# KiCad board miniFPGA_panel.kicad_pcb (continued)
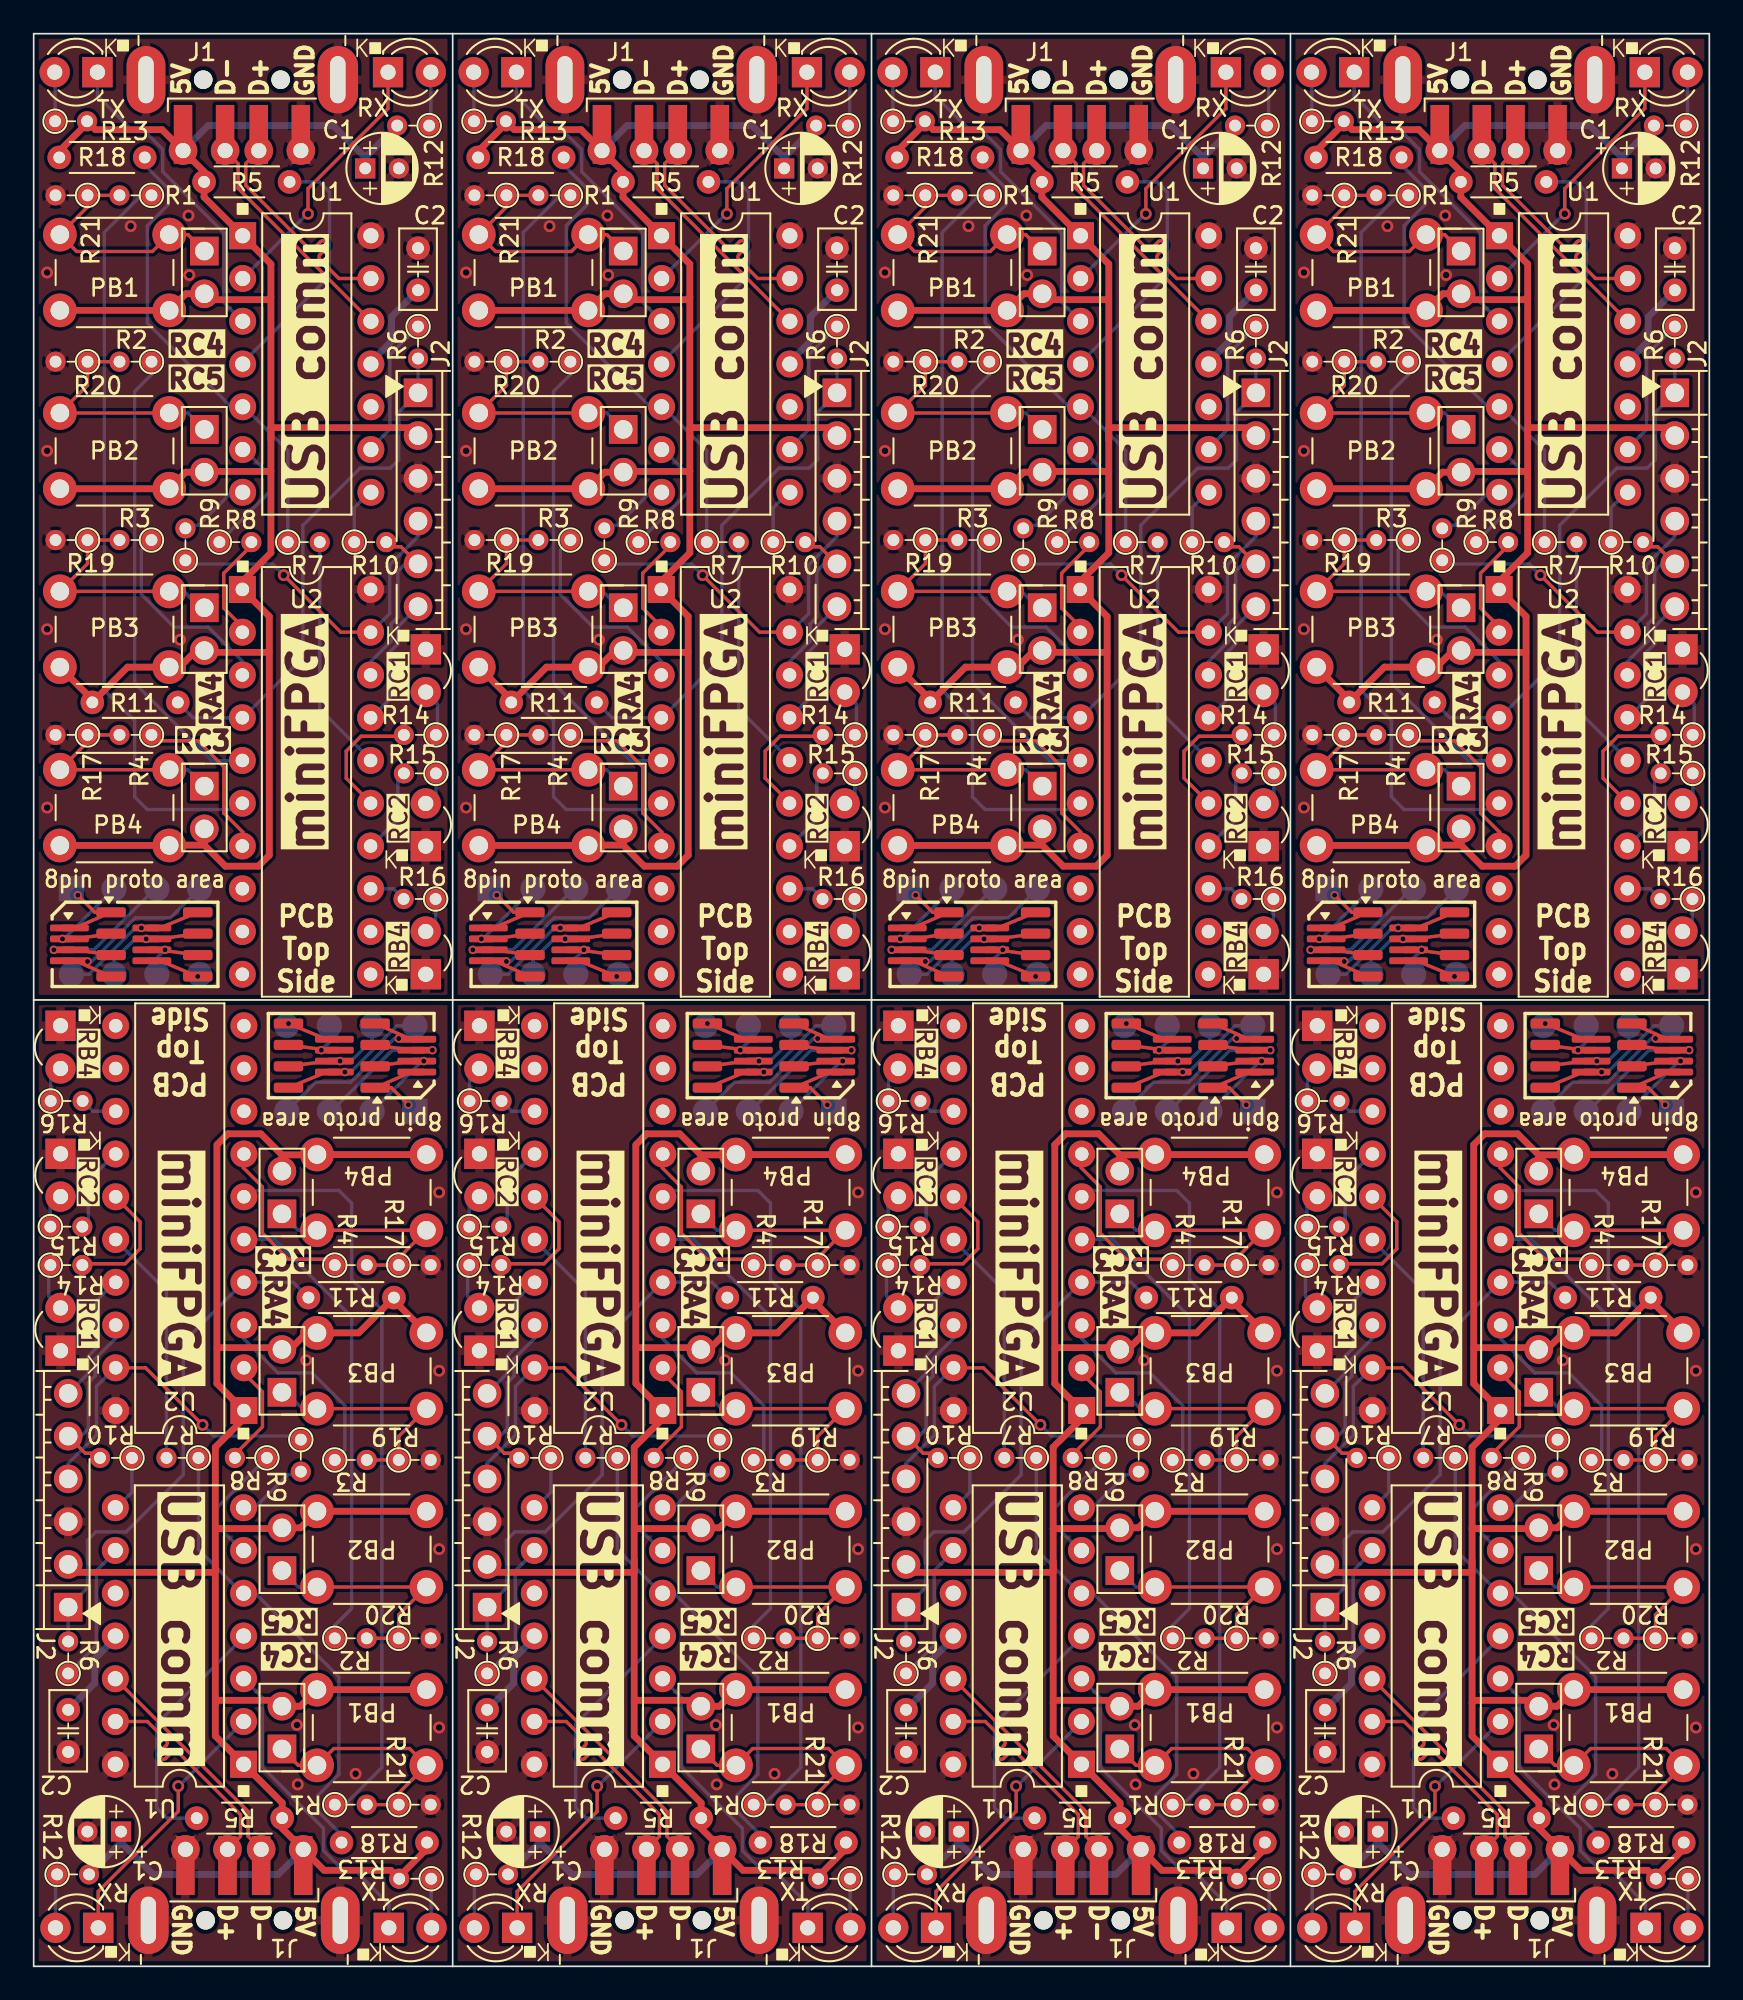
[diagram p0: board, top side]
## Placement (name value [footprint] x y rotation side) (continued)
R18#4  10kΩ  [R_Axial_DIN0204_L3.6mm_D1.6mm_P5.08mm_Horizontal]  76.2 107.45 0 top
R18#5  10kΩ  [R_Axial_DIN0204_L3.6mm_D1.6mm_P5.08mm_Horizontal]  51.3 107.45 0 top
R18#6  10kΩ  [R_Axial_DIN0204_L3.6mm_D1.6mm_P5.08mm_Horizontal]  98.05 7.35 180 top
R18#7  10kΩ  [R_Axial_DIN0204_L3.6mm_D1.6mm_P5.08mm_Horizontal]  23.37 7.35 180 top
R18#8  10kΩ  [R_Axial_DIN0204_L3.6mm_D1.6mm_P5.08mm_Horizontal]  26.41 107.45 0 top
R19  680Ω  [R_Axial_L3.6mm_D1.6mm_P1.90mm_Vertical]  28.09 84.73 180 top
R19#2  680Ω  [R_Axial_L3.6mm_D1.6mm_P1.90mm_Vertical]  77.88 84.73 180 top
R19#3  680Ω  [R_Axial_L3.6mm_D1.6mm_P1.90mm_Vertical]  96.37 30.08 0 top
R19#4  680Ω  [R_Axial_L3.6mm_D1.6mm_P1.90mm_Vertical]  52.98 84.73 180 top
R19#5  680Ω  [R_Axial_L3.6mm_D1.6mm_P1.90mm_Vertical]  71.48 30.08 0 top
R19#6  680Ω  [R_Axial_L3.6mm_D1.6mm_P1.90mm_Vertical]  21.69 30.08 0 top
R19#7  680Ω  [R_Axial_L3.6mm_D1.6mm_P1.90mm_Vertical]  46.58 30.08 0 top
R19#8  680Ω  [R_Axial_L3.6mm_D1.6mm_P1.90mm_Vertical]  3.2 84.73 180 top
R20  680Ω  [R_Axial_L3.6mm_D1.6mm_P1.90mm_Vertical]  71.48 19.49 0 top
R20#2  680Ω  [R_Axial_L3.6mm_D1.6mm_P1.90mm_Vertical]  3.2 95.32 180 top
R20#3  680Ω  [R_Axial_L3.6mm_D1.6mm_P1.90mm_Vertical]  21.69 19.49 0 top
R20#4  680Ω  [R_Axial_L3.6mm_D1.6mm_P1.90mm_Vertical]  28.09 95.32 180 top
R20#5  680Ω  [R_Axial_L3.6mm_D1.6mm_P1.90mm_Vertical]  96.37 19.49 0 top
R20#6  680Ω  [R_Axial_L3.6mm_D1.6mm_P1.90mm_Vertical]  46.58 19.49 0 top
R20#7  680Ω  [R_Axial_L3.6mm_D1.6mm_P1.90mm_Vertical]  52.98 95.32 180 top
R20#8  680Ω  [R_Axial_L3.6mm_D1.6mm_P1.90mm_Vertical]  77.88 95.32 180 top
R21  680Ω  [R_Axial_L3.6mm_D1.6mm_P1.90mm_Vertical]  46.58 9.6 0 top
R21#2  680Ω  [R_Axial_L3.6mm_D1.6mm_P1.90mm_Vertical]  28.09 105.2 180 top
R21#3  680Ω  [R_Axial_L3.6mm_D1.6mm_P1.90mm_Vertical]  52.98 105.2 180 top
R21#4  680Ω  [R_Axial_L3.6mm_D1.6mm_P1.90mm_Vertical]  71.48 9.6 0 top
R21#5  680Ω  [R_Axial_L3.6mm_D1.6mm_P1.90mm_Vertical]  77.88 105.2 180 top
R21#6  680Ω  [R_Axial_L3.6mm_D1.6mm_P1.90mm_Vertical]  3.2 105.2 180 top
R21#7  680Ω  [R_Axial_L3.6mm_D1.6mm_P1.90mm_Vertical]  21.69 9.6 0 top
R21#8  680Ω  [R_Axial_L3.6mm_D1.6mm_P1.90mm_Vertical]  96.37 9.6 0 top
REF*  LOGO  [MClogoBW_18x4.2mm]  33.57 20.37 90 bottom
REF*#2  LOGO  [MClogoBW_18x4.2mm]  41.11 94.44 270 bottom
REF*#3  LOGO  [MClogoBW_18x4.2mm]  58.46 20.37 90 bottom
REF*#4  LOGO  [MClogoBW_18x4.2mm]  8.67 20.37 90 bottom
REF*#5  LOGO  [MClogoBW_18x4.2mm]  90.89 94.44 270 bottom
REF*#6  LOGO  [MClogoBW_18x4.2mm]  66 94.44 270 bottom
REF*#7  LOGO  [MClogoBW_18x4.2mm]  83.35 20.37 90 bottom
REF*#8  LOGO  [MClogoBW_18x4.2mm]  16.22 94.44 270 bottom
TP1  1  [TestPoint_Pad_1.5x1.5mm]  22.65 50.8 0 bottom
TP1#2  1  [TestPoint_Pad_1.5x1.5mm]  2.24 64.01 180 bottom
TP1#3  1  [TestPoint_Pad_1.5x1.5mm]  97.33 50.8 0 bottom
TP1#4  1  [TestPoint_Pad_1.5x1.5mm]  76.92 64.01 180 bottom
TP1#5  1  [TestPoint_Pad_1.5x1.5mm]  52.02 64.01 180 bottom
TP1#6  1  [TestPoint_Pad_1.5x1.5mm]  72.44 50.8 0 bottom
TP1#7  1  [TestPoint_Pad_1.5x1.5mm]  27.13 64.01 180 bottom
TP1#8  1  [TestPoint_Pad_1.5x1.5mm]  47.54 50.8 0 bottom
TP2  2  [TestPoint_Pad_D1.5mm]  69.9 50.8 0 bottom
TP2#2  2  [TestPoint_Pad_D1.5mm]  29.67 64.01 180 bottom
TP2#3  2  [TestPoint_Pad_D1.5mm]  45 50.8 0 bottom
TP2#4  2  [TestPoint_Pad_D1.5mm]  20.11 50.8 0 bottom
TP2#5  2  [TestPoint_Pad_D1.5mm]  54.56 64.01 180 bottom
TP2#6  2  [TestPoint_Pad_D1.5mm]  4.78 64.01 180 bottom
TP2#7  2  [TestPoint_Pad_D1.5mm]  79.46 64.01 180 bottom
TP2#8  2  [TestPoint_Pad_D1.5mm]  94.79 50.8 0 bottom
TP3  3  [TestPoint_Pad_D1.5mm]  32.21 64.01 180 bottom
TP3#2  3  [TestPoint_Pad_D1.5mm]  57.1 64.01 180 bottom
TP3#3  3  [TestPoint_Pad_D1.5mm]  67.36 50.8 0 bottom
TP3#4  3  [TestPoint_Pad_D1.5mm]  82 64.01 180 bottom
TP3#5  3  [TestPoint_Pad_D1.5mm]  42.46 50.8 0 bottom
TP3#6  3  [TestPoint_Pad_D1.5mm]  92.25 50.8 0 bottom
TP3#7  3  [TestPoint_Pad_D1.5mm]  7.32 64.01 180 bottom
TP3#8  3  [TestPoint_Pad_D1.5mm]  17.57 50.8 0 bottom
TP4  4  [TestPoint_Pad_D1.5mm]  39.92 50.8 0 bottom
TP4#2  4  [TestPoint_Pad_D1.5mm]  34.75 64.01 180 bottom
TP4#3  4  [TestPoint_Pad_D1.5mm]  64.82 50.8 0 bottom
TP4#4  4  [TestPoint_Pad_D1.5mm]  59.64 64.01 180 bottom
TP4#5  4  [TestPoint_Pad_D1.5mm]  84.54 64.01 180 bottom
TP4#6  4  [TestPoint_Pad_D1.5mm]  89.71 50.8 0 bottom
TP4#7  4  [TestPoint_Pad_D1.5mm]  9.86 64.01 180 bottom
TP4#8  4  [TestPoint_Pad_D1.5mm]  15.03 50.8 0 bottom
TP5  5  [TestPoint_Pad_D1.5mm]  64.82 55.88 0 bottom
TP5#2  5  [TestPoint_Pad_D1.5mm]  15.03 55.88 0 bottom
TP5#3  5  [TestPoint_Pad_D1.5mm]  34.75 58.93 180 bottom
TP5#4  5  [TestPoint_Pad_D1.5mm]  59.64 58.93 180 bottom
TP5#5  5  [TestPoint_Pad_D1.5mm]  9.86 58.93 180 bottom
TP5#6  5  [TestPoint_Pad_D1.5mm]  89.71 55.88 0 bottom
TP5#7  5  [TestPoint_Pad_D1.5mm]  39.92 55.88 0 bottom
TP5#8  5  [TestPoint_Pad_D1.5mm]  84.54 58.93 180 bottom
TP6  6  [TestPoint_Pad_D1.5mm]  57.1 58.93 180 bottom
TP6#2  6  [TestPoint_Pad_D1.5mm]  67.36 55.88 0 bottom
TP6#3  6  [TestPoint_Pad_D1.5mm]  92.25 55.88 0 bottom
TP6#4  6  [TestPoint_Pad_D1.5mm]  32.21 58.93 180 bottom
TP6#5  6  [TestPoint_Pad_D1.5mm]  42.46 55.88 0 bottom
TP6#6  6  [TestPoint_Pad_D1.5mm]  17.57 55.88 0 bottom
TP6#7  6  [TestPoint_Pad_D1.5mm]  7.32 58.93 180 bottom
TP6#8  6  [TestPoint_Pad_D1.5mm]  82 58.93 180 bottom
TP7  7  [TestPoint_Pad_D1.5mm]  94.79 55.88 0 bottom
TP7#2  7  [TestPoint_Pad_D1.5mm]  69.9 55.88 0 bottom
TP7#3  7  [TestPoint_Pad_D1.5mm]  45 55.88 0 bottom
TP7#4  7  [TestPoint_Pad_D1.5mm]  20.11 55.88 0 bottom
TP7#5  7  [TestPoint_Pad_D1.5mm]  29.67 58.93 180 bottom
TP7#6  7  [TestPoint_Pad_D1.5mm]  79.46 58.93 180 bottom
TP7#7  7  [TestPoint_Pad_D1.5mm]  4.78 58.93 180 bottom
TP7#8  7  [TestPoint_Pad_D1.5mm]  54.56 58.93 180 bottom
TP8  8  [TestPoint_Pad_D1.5mm]  2.24 58.93 180 bottom
TP8#2  8  [TestPoint_Pad_D1.5mm]  76.92 58.93 180 bottom
TP8#3  8  [TestPoint_Pad_D1.5mm]  22.65 55.88 0 bottom
TP8#4  8  [TestPoint_Pad_D1.5mm]  97.33 55.88 0 bottom
TP8#5  8  [TestPoint_Pad_D1.5mm]  72.44 55.88 0 bottom
TP8#6  8  [TestPoint_Pad_D1.5mm]  27.13 58.93 180 bottom
TP8#7  8  [TestPoint_Pad_D1.5mm]  47.54 55.88 0 bottom
TP8#8  8  [TestPoint_Pad_D1.5mm]  52.02 58.93 180 bottom
U1  PIC16F1455-I/P  [DIP-14_W7.62mm]  62.2 102.8 0 top
U1#2  PIC16F1455-I/P  [DIP-14_W7.62mm]  37.37 12 180 top
U1#3  PIC16F1455-I/P  [DIP-14_W7.62mm]  87.09 102.8 0 top
U1#4  PIC16F1455-I/P  [DIP-14_W7.62mm]  62.26 12 180 top
U1#5  PIC16F1455-I/P  [DIP-14_W7.62mm]  87.15 12 180 top
U1#6  PIC16F1455-I/P  [DIP-14_W7.62mm]  37.31 102.8 0 top
U1#7  PIC16F1455-I/P  [DIP-14_W7.62mm]  12.47 12 180 top
U1#8  PIC16F1455-I/P  [DIP-14_W7.62mm]  12.42 102.8 0 top
U2  PIC16F13145-IP  [DIP-20_W7.62mm]  87.17 33.02 180 top
U2#2  PIC16F13145-IP  [DIP-20_W7.62mm]  62.18 81.79 0 top
U2#3  PIC16F13145-IP  [DIP-20_W7.62mm]  87.08 81.79 0 top
U2#4  PIC16F13145-IP  [DIP-20_W7.62mm]  37.38 33.02 180 top
U2#5  PIC16F13145-IP  [DIP-20_W7.62mm]  12.4 81.79 0 top
U2#6  PIC16F13145-IP  [DIP-20_W7.62mm]  37.29 81.79 0 top
U2#7  PIC16F13145-IP  [DIP-20_W7.62mm]  62.28 33.02 180 top
U2#8  PIC16F13145-IP  [DIP-20_W7.62mm]  12.49 33.02 180 top

## Library data of the parts
A1 A1#2-A1#8 = -: Description: Generic connector, double row, 02x04, counter clockwise pin numbering scheme (similar to DIP package numbering), script generated (kicad-library-utils/schlib/autogen/connector/)
J2 J2#2-J2#8 = -: Datasheet: http://ww1.microchip.com/downloads/en/devicedoc/30277d.pdf
PB1 PB1#2-PB1#8 PB2 PB2#2-PB2#8 PB3 PB3#2-PB3#8 PB4 PB4#2-PB4#8 = -: Datasheet: https://www.farnell.com/cad/2585918.pdf; Farnell: https://at.farnell.com/alcoswitch-te-connectivity/1825910-1/taster-0-05a-24v-dc-100gf-tht/dp/3792734
TP1 TP1#2-TP1#8 TP2 TP2#2-TP2#8 TP3 TP3#2-TP3#8 TP4 TP4#2-TP4#8 TP5 TP5#2-TP5#8 TP6 TP6#2-TP6#8 TP7 TP7#2-TP7#8 TP8 TP8#2-TP8#8 = -: Description: test point
U1 U1#2-U1#8 = -: Datasheet: http://ww1.microchip.com/downloads/en/DeviceDoc/20005565B.pdf
U2 U2#2-U2#8 = -: Datasheet: https://ww1.microchip.com/downloads/aemDocuments/documents/MCU08/ProductDocuments/DataSheets/PIC16F13145-Family-Microcontroller-Data-Sheet-DS40002519.pdf; Description: MCU8+mini FPGA

## Footprints (pads in the part's own frame, mm; a bottom-side part is the same pattern mirrored in y, then rotated)
8pin_proto
  rrect 1.475x0.4 smd: 1(-2.888,-0.93) 2(-2.888,-1.58) 3(-2.888,-2.23) 4(-2.888,-2.88) 5(2.837,-2.88) 6(2.837,-2.23) 7(2.837,-1.58) 8(2.837,-0.93)
  rrect 1.625x0.4 smd: 1(-2.138,-0.93) 2(-2.138,-1.58) 3(-2.138,-2.23) 4(-2.138,-2.88) 5(2.087,-2.88) 6(2.087,-2.23) 7(2.087,-1.58) 8(2.087,-0.93)
  custom 3.125x1.33 smd: 1(0,0)
  custom 3.113x0.71 smd: 2(0,-1.27) 3(0,-2.54)
  custom 3.113x1.33 smd: 4(0,-3.81)
  custom 3.225x1.33 smd: 5(5.15,-3.81) 8(5.15,0)
  custom 3.288x0.71 smd: 6(5.15,-2.54) 7(5.15,-1.27)
C_Rect_L4.6mm_W2.0mm_P2.50mm_MKS02_FKP02
  round 1.4 hole 0.7: 1(0,0) 2(2.5,0)
CP_Radial_D4.0mm_P2.00mm
  rect 1.2x1.2 hole 0.7: 1(0,0)
  round 1.2 hole 0.7: 2(2,0)
DIP-14_W7.62mm
  rect 1.6x1.6 hole 0.9: 1(0,0)
  round 1.6 hole 0.9: 2(0,-2.54) 3(0,-5.08) 4(0,-7.62) 5(0,-10.16) 6(0,-12.7) 7(0,-15.24) 8(7.62,-15.24) 9(7.62,-12.7) 10(7.62,-10.16) 11(7.62,-7.62) 12(7.62,-5.08) 13(7.62,-2.54) 14(7.62,0)
DIP-20_W7.62mm
  rect 1.6x1.6 hole 0.8: 1(0,0)
  oval 1.6x1.6 hole 0.8: 2(0,-2.54) 3(0,-5.08) 4(0,-7.62) 5(0,-10.16) 6(0,-12.7) 7(0,-15.24) 8(0,-17.78) 9(0,-20.32) 10(0,-22.86) 11(7.62,-22.86) 12(7.62,-20.32) 13(7.62,-17.78) 14(7.62,-15.24) 15(7.62,-12.7) 16(7.62,-10.16) 17(7.62,-7.62) 18(7.62,-5.08) 19(7.62,-2.54) 20(7.62,0)
LED_D3.0mm
  rect 1.8x1.8 hole 0.9: 1(0,0)
  round 1.8 hole 0.9: 2(2.54,0)
PinHeader_1x02_P2.54mm_Vertical
  rect 1.7x1.7 hole 1.1: 1(0,0)
  oval 1.7x1.7 hole 1.1: 2(0,-2.54)
PinHeader_1x06_P2.54mm_Horizontal
  rect 1.7x1.7 hole 1.1: 1(0,0)
  oval 1.7x1.7 hole 1.1: 2(0,-2.54) 3(0,-5.08) 4(0,-7.62) 5(0,-10.16) 6(0,-12.7)
R_Axial_DIN0204_L3.6mm_D1.6mm_P5.08mm_Horizontal
  round 1.4 hole 0.7: 1(0,0)
  oval 1.4x1.4 hole 0.7: 2(5.08,0)
R_Axial_L3.6mm_D1.6mm_P1.90mm_Vertical
  round 1.2 hole 0.7: 1(0,0) 2(1.9,0)
SW_PUSH_6mm_H5mm
  round 2 hole 1.1: 1(0,0) 1(6.5,0) 2(0,-4.5) 2(6.5,-4.5)
TestPoint_Pad_1.5x1.5mm
  rect 1.5x1.5 smd: 1(0,0)
TestPoint_Pad_D1.5mm
  round 1.5 smd: 1(0,0)
USB_A_CNCTech_1001-011-01101_Horizontal
  round 1.1 hole 1.1 unplated: (-2.9,2.3) (-2.9,-2.3)
  round 1.7 hole 0.9: 1(-7.112,3.5) 2(-7.112,1) 3(-7.112,-1) 4(-7.112,-3.5)
  rect 3.5x1.1 smd: 1(-6.15,3.5) 2(-6.15,1) 3(-6.15,-1) 4(-6.15,-3.5)
  oval 4x2.3 hole 2.8x0.9: 5(-2.9,5.7)
  oval 4x2.4 hole 2.8x0.9: 5(-2.9,-5.7)

## Nets
Board_0-/RA0: J2#6.4 R9#6.1 U2#5.19
Board_0-/RA1: J2#6.5 R10.2 U2#5.18
Board_0-/RA2: J2#6.6 U2#5.17
Board_0-/RA4: R3#8.1 U2#5.3
Board_0-/RA5: R8#7.2 U2#5.2
Board_0-/RB4: R16#6.2 U2#5.13
Board_0-/RC0: R7#6.2 U2#5.16
Board_0-/RC1: R14.2 U2#5.15
Board_0-/RC2: R15#3.2 U2#5.14
Board_0-/RC3: R4#8.1 U2#5.7
Board_0-/RC4: R1#8.1 U2#5.6
Board_0-/RC5: R2#5.1 U2#5.5
Board_0-/URx: R7#6.1 R18#3.2 U1#8.5
Board_0-/USB_D+: J1#2.3 U1#8.13
Board_0-/USB_D-: J1#2.2 U1#8.12
Board_0-/UTx: R8#7.1 U1#8.6
Board_0-/~{MCLR}: J2#6.1 R6#5.2 R11#5.2 U2#5.4
Board_0-GNDD: C1#8.2 C2#7.2 J1#2.4 J1#2.5 J2#6.3 LED3#6.1 LED4#7.1 LED5.1 R17#5.2 R19#8.2 R20#2.2 R21#6.2 U1#8.14 U2#5.20
Board_0-Net-(A1-Pin_1): A1#2.1 TP1#2.1
Board_0-Net-(A1-Pin_2): A1#2.2 TP2#6.1
Board_0-Net-(A1-Pin_3): A1#2.3 TP3#7.1
Board_0-Net-(A1-Pin_4): A1#2.4 TP4#7.1
Board_0-Net-(A1-Pin_5): A1#2.5 TP5#5.1
Board_0-Net-(A1-Pin_6): A1#2.6 TP6#7.1
Board_0-Net-(A1-Pin_7): A1#2.7 TP7#7.1
Board_0-Net-(A1-Pin_8): A1#2.8 TP8.1
Board_0-Net-(JP1-A): JP1#8.1 PB1#5.1 R1#8.2 R21#6.1
Board_0-Net-(JP2-A): JP2#6.1 PB2#6.1 R2#5.2 R20#2.1
Board_0-Net-(JP3-A): JP3#7.1 PB3#8.1 R3#8.2 R19#8.1
Board_0-Net-(JP4-A): JP4.1 PB4#5.1 R4#8.2 R17#5.1
Board_0-Net-(LED1-A): LED1#6.2 R12#7.1
Board_0-Net-(LED1-K): LED1#6.1 U1#8.2
Board_0-Net-(LED2-A): LED2#3.2 R13#7.1
Board_0-Net-(LED2-K): LED2#3.1 U1#8.3
Board_0-Net-(LED3-A): LED3#6.2 R14.1
Board_0-Net-(LED4-A): LED4#7.2 R15#3.1
Board_0-Net-(LED5-A): LED5.2 R16#6.1
Board_0-Net-(U1-GP2): R9#6.2 U1#8.7
Board_0-Net-(U1-GP3): R10.1 U1#8.8
Board_0-Net-(U1-SDA): R6#5.1 U1#8.9
Board_0-Net-(U1-VUSB): C2#7.1 U1#8.11
Board_0-Net-(U1-~{RST}): R5.1 U1#8.4
Board_0-unconnected-(U1-SCL-Pad10): U1#8.10
Board_0-unconnected-(U2-RB5-Pad12): U2#5.12
Board_0-unconnected-(U2-RB6-Pad11): U2#5.11
Board_0-unconnected-(U2-RB7-Pad10): U2#5.10
Board_0-unconnected-(U2-RC6-Pad8): U2#5.8
Board_0-unconnected-(U2-RC7-Pad9): U2#5.9
Board_0-VDD: C1#8.1 J1#2.1 J2#6.2 JP1#8.2 JP2#6.2 JP3#7.2 JP4.2 PB1#5.2 PB2#6.2 PB3#8.2 PB4#5.2 R5.2 R11#5.1 R12#7.2 R13#7.2 R18#3.1 U1#8.1 U2#5.1
Board_1-/RA0: J2#5.4 R9#5.1 U2#6.19
Board_1-/RA1: J2#5.5 R10#8.2 U2#6.18
Board_1-/RA2: J2#5.6 U2#6.17
Board_1-/RA4: R3#5.1 U2#6.3
Board_1-/RA5: R8.2 U2#6.2
Board_1-/RB4: R16#4.2 U2#6.13
Board_1-/RC0: R7#5.2 U2#6.16
Board_1-/RC1: R14#5.2 U2#6.15
Board_1-/RC2: R15#7.2 U2#6.14
Board_1-/RC3: R4.1 U2#6.7
Board_1-/RC4: R1#5.1 U2#6.6
Board_1-/RC5: R2.1 U2#6.5
Board_1-/URx: R7#5.1 R18#8.2 U1#6.5
Board_1-/USB_D+: J1#8.3 U1#6.13
Board_1-/USB_D-: J1#8.2 U1#6.12
Board_1-/UTx: R8.1 U1#6.6
Board_1-/~{MCLR}: J2#5.1 R6#3.2 R11#6.2 U2#6.4
Board_1-GNDD: C1#2.2 C2.2 J1#8.4 J1#8.5 J2#5.3 LED3#7.1 LED4#4.1 LED5#8.1 R17#7.2 R19.2 R20#4.2 R21#2.2 U1#6.14 U2#6.20
Board_1-Net-(A1-Pin_1): A1#5.1 TP1#7.1
Board_1-Net-(A1-Pin_2): A1#5.2 TP2#2.1
Board_1-Net-(A1-Pin_3): A1#5.3 TP3.1
Board_1-Net-(A1-Pin_4): A1#5.4 TP4#2.1
Board_1-Net-(A1-Pin_5): A1#5.5 TP5#3.1
Board_1-Net-(A1-Pin_6): A1#5.6 TP6#4.1
Board_1-Net-(A1-Pin_7): A1#5.7 TP7#5.1
Board_1-Net-(A1-Pin_8): A1#5.8 TP8#6.1
Board_1-Net-(JP1-A): JP1#7.1 PB1#3.1 R1#5.2 R21#2.1
Board_1-Net-(JP2-A): JP2#3.1 PB2#2.1 R2.2 R20#4.1
Board_1-Net-(JP3-A): JP3#8.1 PB3#7.1 R3#5.2 R19.1
Board_1-Net-(JP4-A): JP4#4.1 PB4#8.1 R4.2 R17#7.1
Board_1-Net-(LED1-A): LED1#5.2 R12#8.1
Board_1-Net-(LED1-K): LED1#5.1 U1#6.2
Board_1-Net-(LED2-A): LED2#7.2 R13#6.1
Board_1-Net-(LED2-K): LED2#7.1 U1#6.3
Board_1-Net-(LED3-A): LED3#7.2 R14#5.1
Board_1-Net-(LED4-A): LED4#4.2 R15#7.1
Board_1-Net-(LED5-A): LED5#8.2 R16#4.1
Board_1-Net-(U1-GP2): R9#5.2 U1#6.7
Board_1-Net-(U1-GP3): R10#8.1 U1#6.8
Board_1-Net-(U1-SDA): R6#3.1 U1#6.9
Board_1-Net-(U1-VUSB): C2.1 U1#6.11
Board_1-Net-(U1-~{RST}): R5#3.1 U1#6.4
Board_1-unconnected-(U1-SCL-Pad10): U1#6.10
Board_1-unconnected-(U2-RB5-Pad12): U2#6.12
Board_1-unconnected-(U2-RB6-Pad11): U2#6.11
Board_1-unconnected-(U2-RB7-Pad10): U2#6.10
Board_1-unconnected-(U2-RC6-Pad8): U2#6.8
Board_1-unconnected-(U2-RC7-Pad9): U2#6.9
Board_1-VDD: C1#2.1 J1#8.1 J2#5.2 JP1#7.2 JP2#3.2 JP3#8.2 JP4#4.2 PB1#3.2 PB2#2.2 PB3#7.2 PB4#8.2 R5#3.2 R11#6.1 R12#8.2 R13#6.2 R18#8.1 U1#6.1 U2#6.1
Board_2-/RA0: J2#2.4 R9#3.1 U2#2.19
Board_2-/RA1: J2#2.5 R10#2.2 U2#2.18
Board_2-/RA2: J2#2.6 U2#2.17
Board_2-/RA4: R3#7.1 U2#2.3
Board_2-/RA5: R8#6.2 U2#2.2
Board_2-/RB4: R16#2.2 U2#2.13
Board_2-/RC0: R7#8.2 U2#2.16
Board_2-/RC1: R14#2.2 U2#2.15
Board_2-/RC2: R15#5.2 U2#2.14
Board_2-/RC3: R4#7.1 U2#2.7
Board_2-/RC4: R1#7.1 U2#2.6
Board_2-/RC5: R2#6.1 U2#2.5
Board_2-/URx: R7#8.1 R18#5.2 U1.5
Board_2-/USB_D+: J1#4.3 U1.13
Board_2-/USB_D-: J1#4.2 U1.12
Board_2-/UTx: R8#6.1 U1.6
Board_2-/~{MCLR}: J2#2.1 R6.2 R11#3.2 U2#2.4
Board_2-GNDD: C1#5.2 C2#4.2 J1#4.4 J1#4.5 J2#2.3 LED3#2.1 LED4#8.1 LED5#6.1 R17#6.2 R19#4.2 R20#7.2 R21#3.2 U1.14 U2#2.20
Board_2-Net-(A1-Pin_1): A1#8.1 TP1#5.1
Board_2-Net-(A1-Pin_2): A1#8.2 TP2#5.1
Board_2-Net-(A1-Pin_3): A1#8.3 TP3#2.1
Board_2-Net-(A1-Pin_4): A1#8.4 TP4#4.1
Board_2-Net-(A1-Pin_5): A1#8.5 TP5#4.1
Board_2-Net-(A1-Pin_6): A1#8.6 TP6.1
Board_2-Net-(A1-Pin_7): A1#8.7 TP7#8.1
Board_2-Net-(A1-Pin_8): A1#8.8 TP8#8.1
Board_2-Net-(JP1-A): JP1#4.1 PB1#4.1 R1#7.2 R21#3.1
Board_2-Net-(JP2-A): JP2#4.1 PB2#8.1 R2#6.2 R20#7.1
Board_2-Net-(JP3-A): JP3#2.1 PB3#5.1 R3#7.2 R19#4.1
Board_2-Net-(JP4-A): JP4#8.1 PB4#3.1 R4#7.2 R17#6.1
Board_2-Net-(LED1-A): LED1#7.2 R12#3.1
Board_2-Net-(LED1-K): LED1#7.1 U1.2
Board_2-Net-(LED2-A): LED2.2 R13#3.1
Board_2-Net-(LED2-K): LED2.1 U1.3
Board_2-Net-(LED3-A): LED3#2.2 R14#2.1
Board_2-Net-(LED4-A): LED4#8.2 R15#5.1
Board_2-Net-(LED5-A): LED5#6.2 R16#2.1
Board_2-Net-(U1-GP2): R9#3.2 U1.7
Board_2-Net-(U1-GP3): R10#2.1 U1.8
Board_2-Net-(U1-SDA): R6.1 U1.9
Board_2-Net-(U1-VUSB): C2#4.1 U1.11
Board_2-Net-(U1-~{RST}): R5#6.1 U1.4
Board_2-unconnected-(U1-SCL-Pad10): U1.10
Board_2-unconnected-(U2-RB5-Pad12): U2#2.12
Board_2-unconnected-(U2-RB6-Pad11): U2#2.11
Board_2-unconnected-(U2-RB7-Pad10): U2#2.10
Board_2-unconnected-(U2-RC6-Pad8): U2#2.8
Board_2-unconnected-(U2-RC7-Pad9): U2#2.9
Board_2-VDD: C1#5.1 J1#4.1 J2#2.2 JP1#4.2 JP2#4.2 JP3#2.2 JP4#8.2 PB1#4.2 PB2#8.2 PB3#5.2 PB4#3.2 R5#6.2 R11#3.1 R12#3.2 R13#3.2 R18#5.1 U1.1 U2#2.1
Board_3-/RA0: J2#7.4 R9.1 U2#3.19
Board_3-/RA1: J2#7.5 R10#7.2 U2#3.18
Board_3-/RA2: J2#7.6 U2#3.17
Board_3-/RA4: R3.1 U2#3.3
Board_3-/RA5: R8#2.2 U2#3.2
Board_3-/RB4: R16#7.2 U2#3.13
Board_3-/RC0: R7.2 U2#3.16
Board_3-/RC1: R14#3.2 U2#3.15
Board_3-/RC2: R15.2 U2#3.14
Board_3-/RC3: R4#3.1 U2#3.7
Board_3-/RC4: R1#6.1 U2#3.6
Board_3-/RC5: R2#3.1 U2#3.5
Board_3-/URx: R7.1 R18#4.2 U1#3.5
Board_3-/USB_D+: J1#6.3 U1#3.13
Board_3-/USB_D-: J1#6.2 U1#3.12
Board_3-/UTx: R8#2.1 U1#3.6
Board_3-/~{MCLR}: J2#7.1 R6#4.2 R11#8.2 U2#3.4
Board_3-GNDD: C1#6.2 C2#3.2 J1#6.4 J1#6.5 J2#7.3 LED3#5.1 LED4#3.1 LED5#5.1 R17#4.2 R19#2.2 R20#8.2 R21#5.2 U1#3.14 U2#3.20
Board_3-Net-(A1-Pin_1): A1.1 TP1#4.1
Board_3-Net-(A1-Pin_2): A1.2 TP2#7.1
Board_3-Net-(A1-Pin_3): A1.3 TP3#4.1
Board_3-Net-(A1-Pin_4): A1.4 TP4#5.1
Board_3-Net-(A1-Pin_5): A1.5 TP5#8.1
Board_3-Net-(A1-Pin_6): A1.6 TP6#8.1
Board_3-Net-(A1-Pin_7): A1.7 TP7#6.1
Board_3-Net-(A1-Pin_8): A1.8 TP8#2.1
Board_3-Net-(JP1-A): JP1#5.1 PB1#8.1 R1#6.2 R21#5.1
Board_3-Net-(JP2-A): JP2#2.1 PB2#5.1 R2#3.2 R20#8.1
Board_3-Net-(JP3-A): JP3#4.1 PB3#3.1 R3.2 R19#2.1
Board_3-Net-(JP4-A): JP4#7.1 PB4#2.1 R4#3.2 R17#4.1
Board_3-Net-(LED1-A): LED1#4.2 R12.1
Board_3-Net-(LED1-K): LED1#4.1 U1#3.2
Board_3-Net-(LED2-A): LED2#4.2 R13#2.1
Board_3-Net-(LED2-K): LED2#4.1 U1#3.3
Board_3-Net-(LED3-A): LED3#5.2 R14#3.1
Board_3-Net-(LED4-A): LED4#3.2 R15.1
Board_3-Net-(LED5-A): LED5#5.2 R16#7.1
Board_3-Net-(U1-GP2): R9.2 U1#3.7
Board_3-Net-(U1-GP3): R10#7.1 U1#3.8
Board_3-Net-(U1-SDA): R6#4.1 U1#3.9
Board_3-Net-(U1-VUSB): C2#3.1 U1#3.11
Board_3-Net-(U1-~{RST}): R5#4.1 U1#3.4
Board_3-unconnected-(U1-SCL-Pad10): U1#3.10
Board_3-unconnected-(U2-RB5-Pad12): U2#3.12
Board_3-unconnected-(U2-RB6-Pad11): U2#3.11
Board_3-unconnected-(U2-RB7-Pad10): U2#3.10
Board_3-unconnected-(U2-RC6-Pad8): U2#3.8
Board_3-unconnected-(U2-RC7-Pad9): U2#3.9
Board_3-VDD: C1#6.1 J1#6.1 J2#7.2 JP1#5.2 JP2#2.2 JP3#4.2 JP4#7.2 PB1#8.2 PB2#5.2 PB3#3.2 PB4#2.2 R5#4.2 R11#8.1 R12.2 R13#2.2 R18#4.1 U1#3.1 U2#3.1
Board_4-/RA0: J2#8.4 R9#8.1 U2#8.19
Board_4-/RA1: J2#8.5 R10#4.2 U2#8.18
Board_4-/RA2: J2#8.6 U2#8.17
Board_4-/RA4: R3#2.1 U2#8.3
Board_4-/RA5: R8#8.2 U2#8.2
Board_4-/RB4: R16#3.2 U2#8.13
Board_4-/RC0: R7#7.2 U2#8.16
Board_4-/RC1: R14#8.2 U2#8.15
Board_4-/RC2: R15#4.2 U2#8.14
Board_4-/RC3: R4#2.1 U2#8.7
Board_4-/RC4: R1.1 U2#8.6
Board_4-/RC5: R2#7.1 U2#8.5
Board_4-/URx: R7#7.1 R18#7.2 U1#7.5
Board_4-/USB_D+: J1#5.3 U1#7.13
Board_4-/USB_D-: J1#5.2 U1#7.12
Board_4-/UTx: R8#8.1 U1#7.6
Board_4-/~{MCLR}: J2#8.1 R6#8.2 R11#4.2 U2#8.4
Board_4-GNDD: C1#3.2 C2#2.2 J1#5.4 J1#5.5 J2#8.3 LED3#8.1 LED4.1 LED5#7.1 R17#8.2 R19#6.2 R20#3.2 R21#7.2 U1#7.14 U2#8.20
Board_4-Net-(A1-Pin_1): A1#3.1 TP1.1
Board_4-Net-(A1-Pin_2): A1#3.2 TP2#4.1
Board_4-Net-(A1-Pin_3): A1#3.3 TP3#8.1
Board_4-Net-(A1-Pin_4): A1#3.4 TP4#8.1
Board_4-Net-(A1-Pin_5): A1#3.5 TP5#2.1
Board_4-Net-(A1-Pin_6): A1#3.6 TP6#6.1
Board_4-Net-(A1-Pin_7): A1#3.7 TP7#4.1
Board_4-Net-(A1-Pin_8): A1#3.8 TP8#3.1
Board_4-Net-(JP1-A): JP1#2.1 PB1#7.1 R1.2 R21#7.1
Board_4-Net-(JP2-A): JP2#8.1 PB2#7.1 R2#7.2 R20#3.1
Board_4-Net-(JP3-A): JP3#5.1 PB3#2.1 R3#2.2 R19#6.1
Board_4-Net-(JP4-A): JP4#6.1 PB4#4.1 R4#2.2 R17#8.1
Board_4-Net-(LED1-A): LED1#3.2 R12#4.1
Board_4-Net-(LED1-K): LED1#3.1 U1#7.2
Board_4-Net-(LED2-A): LED2#2.2 R13#5.1
Board_4-Net-(LED2-K): LED2#2.1 U1#7.3
Board_4-Net-(LED3-A): LED3#8.2 R14#8.1
Board_4-Net-(LED4-A): LED4.2 R15#4.1
Board_4-Net-(LED5-A): LED5#7.2 R16#3.1
Board_4-Net-(U1-GP2): R9#8.2 U1#7.7
Board_4-Net-(U1-GP3): R10#4.1 U1#7.8
Board_4-Net-(U1-SDA): R6#8.1 U1#7.9
Board_4-Net-(U1-VUSB): C2#2.1 U1#7.11
Board_4-Net-(U1-~{RST}): R5#8.1 U1#7.4
Board_4-unconnected-(U1-SCL-Pad10): U1#7.10
Board_4-unconnected-(U2-RB5-Pad12): U2#8.12
Board_4-unconnected-(U2-RB6-Pad11): U2#8.11
Board_4-unconnected-(U2-RB7-Pad10): U2#8.10
Board_4-unconnected-(U2-RC6-Pad8): U2#8.8
Board_4-unconnected-(U2-RC7-Pad9): U2#8.9
Board_4-VDD: C1#3.1 J1#5.1 J2#8.2 JP1#2.2 JP2#8.2 JP3#5.2 JP4#6.2 PB1#7.2 PB2#7.2 PB3#2.2 PB4#4.2 R5#8.2 R11#4.1 R12#4.2 R13#5.2 R18#7.1 U1#7.1 U2#8.1
Board_5-/RA0: J2#4.4 R9#7.1 U2#4.19
Board_5-/RA1: J2#4.5 R10#6.2 U2#4.18
Board_5-/RA2: J2#4.6 U2#4.17
Board_5-/RA4: R3#4.1 U2#4.3
Board_5-/RA5: R8#3.2 U2#4.2
Board_5-/RB4: R16#8.2 U2#4.13
Board_5-/RC0: R7#4.2 U2#4.16
Board_5-/RC1: R14#6.2 U2#4.15
Board_5-/RC2: R15#8.2 U2#4.14
Board_5-/RC3: R4#6.1 U2#4.7
Board_5-/RC4: R1#2.1 U2#4.6
Board_5-/RC5: R2#2.1 U2#4.5
Board_5-/URx: R7#4.1 R18#2.2 U1#2.5
Board_5-/USB_D+: J1.3 U1#2.13
Board_5-/USB_D-: J1.2 U1#2.12
Board_5-/UTx: R8#3.1 U1#2.6
Board_5-/~{MCLR}: J2#4.1 R6#7.2 R11.2 U2#4.4
Board_5-GNDD: C1.2 C2#5.2 J1.4 J1.5 J2#4.3 LED3.1 LED4#6.1 LED5#2.1 R17.2 R19#7.2 R20#6.2 R21.2 U1#2.14 U2#4.20
Board_5-Net-(A1-Pin_1): A1#6.1 TP1#8.1
Board_5-Net-(A1-Pin_2): A1#6.2 TP2#3.1
Board_5-Net-(A1-Pin_3): A1#6.3 TP3#5.1
Board_5-Net-(A1-Pin_4): A1#6.4 TP4.1
Board_5-Net-(A1-Pin_5): A1#6.5 TP5#7.1
Board_5-Net-(A1-Pin_6): A1#6.6 TP6#5.1
Board_5-Net-(A1-Pin_7): A1#6.7 TP7#3.1
Board_5-Net-(A1-Pin_8): A1#6.8 TP8#7.1
Board_5-Net-(JP1-A): JP1#6.1 PB1#2.1 R1#2.2 R21.1
Board_5-Net-(JP2-A): JP2#5.1 PB2.1 R2#2.2 R20#6.1
Board_5-Net-(JP3-A): JP3.1 PB3.1 R3#4.2 R19#7.1
Board_5-Net-(JP4-A): JP4#3.1 PB4#7.1 R4#6.2 R17.1
Board_5-Net-(LED1-A): LED1#8.2 R12#5.1
Board_5-Net-(LED1-K): LED1#8.1 U1#2.2
Board_5-Net-(LED2-A): LED2#5.2 R13.1
Board_5-Net-(LED2-K): LED2#5.1 U1#2.3
Board_5-Net-(LED3-A): LED3.2 R14#6.1
Board_5-Net-(LED4-A): LED4#6.2 R15#8.1
Board_5-Net-(LED5-A): LED5#2.2 R16#8.1
Board_5-Net-(U1-GP2): R9#7.2 U1#2.7
Board_5-Net-(U1-GP3): R10#6.1 U1#2.8
Board_5-Net-(U1-SDA): R6#7.1 U1#2.9
Board_5-Net-(U1-VUSB): C2#5.1 U1#2.11
Board_5-Net-(U1-~{RST}): R5#2.1 U1#2.4
Board_5-unconnected-(U1-SCL-Pad10): U1#2.10
Board_5-unconnected-(U2-RB5-Pad12): U2#4.12
Board_5-unconnected-(U2-RB6-Pad11): U2#4.11
Board_5-unconnected-(U2-RB7-Pad10): U2#4.10
Board_5-unconnected-(U2-RC6-Pad8): U2#4.8
Board_5-unconnected-(U2-RC7-Pad9): U2#4.9
Board_5-VDD: C1.1 J1.1 J2#4.2 JP1#6.2 JP2#5.2 JP3.2 JP4#3.2 PB1#2.2 PB2.2 PB3.2 PB4#7.2 R5#2.2 R11.1 R12#5.2 R13.2 R18#2.1 U1#2.1 U2#4.1
Board_6-/RA0: J2#3.4 R9#2.1 U2#7.19
Board_6-/RA1: J2#3.5 R10#5.2 U2#7.18
Board_6-/RA2: J2#3.6 U2#7.17
Board_6-/RA4: R3#6.1 U2#7.3
Board_6-/RA5: R8#4.2 U2#7.2
Board_6-/RB4: R16#5.2 U2#7.13
Board_6-/RC0: R7#2.2 U2#7.16
Board_6-/RC1: R14#7.2 U2#7.15
Board_6-/RC2: R15#2.2 U2#7.14
Board_6-/RC3: R4#4.1 U2#7.7
Board_6-/RC4: R1#3.1 U2#7.6
Board_6-/RC5: R2#8.1 U2#7.5
Board_6-/URx: R7#2.1 R18.2 U1#4.5
Board_6-/USB_D+: J1#3.3 U1#4.13
Board_6-/USB_D-: J1#3.2 U1#4.12
Board_6-/UTx: R8#4.1 U1#4.6
Board_6-/~{MCLR}: J2#3.1 R6#2.2 R11#7.2 U2#7.4
Board_6-GNDD: C1#7.2 C2#8.2 J1#3.4 J1#3.5 J2#3.3 LED3#4.1 LED4#2.1 LED5#4.1 R17#3.2 R19#5.2 R20.2 R21#4.2 U1#4.14 U2#7.20
Board_6-Net-(A1-Pin_1): A1#7.1 TP1#6.1
Board_6-Net-(A1-Pin_2): A1#7.2 TP2.1
Board_6-Net-(A1-Pin_3): A1#7.3 TP3#3.1
Board_6-Net-(A1-Pin_4): A1#7.4 TP4#3.1
Board_6-Net-(A1-Pin_5): A1#7.5 TP5.1
Board_6-Net-(A1-Pin_6): A1#7.6 TP6#2.1
Board_6-Net-(A1-Pin_7): A1#7.7 TP7#2.1
Board_6-Net-(A1-Pin_8): A1#7.8 TP8#5.1
Board_6-Net-(JP1-A): JP1.1 PB1#6.1 R1#3.2 R21#4.1
Board_6-Net-(JP2-A): JP2#7.1 PB2#3.1 R2#8.2 R20.1
Board_6-Net-(JP3-A): JP3#6.1 PB3#6.1 R3#6.2 R19#5.1
Board_6-Net-(JP4-A): JP4#2.1 PB4.1 R4#4.2 R17#3.1
Board_6-Net-(LED1-A): LED1.2 R12#6.1
Board_6-Net-(LED1-K): LED1.1 U1#4.2
Board_6-Net-(LED2-A): LED2#6.2 R13#8.1
Board_6-Net-(LED2-K): LED2#6.1 U1#4.3
Board_6-Net-(LED3-A): LED3#4.2 R14#7.1
Board_6-Net-(LED4-A): LED4#2.2 R15#2.1
Board_6-Net-(LED5-A): LED5#4.2 R16#5.1
Board_6-Net-(U1-GP2): R9#2.2 U1#4.7
Board_6-Net-(U1-GP3): R10#5.1 U1#4.8
Board_6-Net-(U1-SDA): R6#2.1 U1#4.9
Board_6-Net-(U1-VUSB): C2#8.1 U1#4.11
Board_6-Net-(U1-~{RST}): R5#5.1 U1#4.4
Board_6-unconnected-(U1-SCL-Pad10): U1#4.10
Board_6-unconnected-(U2-RB5-Pad12): U2#7.12
Board_6-unconnected-(U2-RB6-Pad11): U2#7.11
Board_6-unconnected-(U2-RB7-Pad10): U2#7.10
Board_6-unconnected-(U2-RC6-Pad8): U2#7.8
Board_6-unconnected-(U2-RC7-Pad9): U2#7.9
Board_6-VDD: C1#7.1 J1#3.1 J2#3.2 JP1.2 JP2#7.2 JP3#6.2 JP4#2.2 PB1#6.2 PB2#3.2 PB3#6.2 PB4.2 R5#5.2 R11#7.1 R12#6.2 R13#8.2 R18.1 U1#4.1 U2#7.1
Board_7-/RA0: J2.4 R9#4.1 U2.19
Board_7-/RA1: J2.5 R10#3.2 U2.18
Board_7-/RA2: J2.6 U2.17
Board_7-/RA4: R3#3.1 U2.3
Board_7-/RA5: R8#5.2 U2.2
Board_7-/RB4: R16.2 U2.13
Board_7-/RC0: R7#3.2 U2.16
Board_7-/RC1: R14#4.2 U2.15
Board_7-/RC2: R15#6.2 U2.14
Board_7-/RC3: R4#5.1 U2.7
Board_7-/RC4: R1#4.1 U2.6
Board_7-/RC5: R2#4.1 U2.5
Board_7-/URx: R7#3.1 R18#6.2 U1#5.5
Board_7-/USB_D+: J1#7.3 U1#5.13
Board_7-/USB_D-: J1#7.2 U1#5.12
Board_7-/UTx: R8#5.1 U1#5.6
Board_7-/~{MCLR}: J2.1 R6#6.2 R11#2.2 U2.4
Board_7-GNDD: C1#4.2 C2#6.2 J1#7.4 J1#7.5 J2.3 LED3#3.1 LED4#5.1 LED5#3.1 R17#2.2 R19#3.2 R20#5.2 R21#8.2 U1#5.14 U2.20
Board_7-Net-(A1-Pin_1): A1#4.1 TP1#3.1
Board_7-Net-(A1-Pin_2): A1#4.2 TP2#8.1
Board_7-Net-(A1-Pin_3): A1#4.3 TP3#6.1
Board_7-Net-(A1-Pin_4): A1#4.4 TP4#6.1
Board_7-Net-(A1-Pin_5): A1#4.5 TP5#6.1
Board_7-Net-(A1-Pin_6): A1#4.6 TP6#3.1
Board_7-Net-(A1-Pin_7): A1#4.7 TP7.1
Board_7-Net-(A1-Pin_8): A1#4.8 TP8#4.1
Board_7-Net-(JP1-A): JP1#3.1 PB1.1 R1#4.2 R21#8.1
Board_7-Net-(JP2-A): JP2.1 PB2#4.1 R2#4.2 R20#5.1
Board_7-Net-(JP3-A): JP3#3.1 PB3#4.1 R3#3.2 R19#3.1
Board_7-Net-(JP4-A): JP4#5.1 PB4#6.1 R4#5.2 R17#2.1
Board_7-Net-(LED1-A): LED1#2.2 R12#2.1
Board_7-Net-(LED1-K): LED1#2.1 U1#5.2
Board_7-Net-(LED2-A): LED2#8.2 R13#4.1
Board_7-Net-(LED2-K): LED2#8.1 U1#5.3
Board_7-Net-(LED3-A): LED3#3.2 R14#4.1
Board_7-Net-(LED4-A): LED4#5.2 R15#6.1
Board_7-Net-(LED5-A): LED5#3.2 R16.1
Board_7-Net-(U1-GP2): R9#4.2 U1#5.7
Board_7-Net-(U1-GP3): R10#3.1 U1#5.8
Board_7-Net-(U1-SDA): R6#6.1 U1#5.9
Board_7-Net-(U1-VUSB): C2#6.1 U1#5.11
Board_7-Net-(U1-~{RST}): R5#7.1 U1#5.4
Board_7-unconnected-(U1-SCL-Pad10): U1#5.10
Board_7-unconnected-(U2-RB5-Pad12): U2.12
Board_7-unconnected-(U2-RB6-Pad11): U2.11
Board_7-unconnected-(U2-RB7-Pad10): U2.10
Board_7-unconnected-(U2-RC6-Pad8): U2.8
Board_7-unconnected-(U2-RC7-Pad9): U2.9
Board_7-VDD: C1#4.1 J1#7.1 J2.2 JP1#3.2 JP2.2 JP3#3.2 JP4#5.2 PB1.2 PB2#4.2 PB3#4.2 PB4#6.2 R5#7.2 R11#2.1 R12#2.2 R13#4.2 R18#6.1 U1#5.1 U2.1

## Via types
v1: diameter 0.7, hole 0.4, Top to Bottom, 80 vias
v2: diameter 0.5, hole 0.3, Top to Bottom, 64 vias

## Routing (per net, layer and track width the routed paths; a pad name or vN(x,y) marks a point on that pad's centre or on a via; arc(x,y) is an arc through that point)
Board_0-/RA0: length 20.5
  Top w0.2: v1(14.86,82.64) 18.25,79.25 20.06,79.25
  Bottom w0.2: 20.06,79.25 21.16,80.35 21.16,83.25 22.84,84.94 J2#6.4 ; v1(14.86,82.64) 14.5,83 14.5,83.01 14.2,83.3 9.52,83.3 9.12,83.7
Board_0-/RA1: length 10.5
  Top w0.2: 20.93,84.33 21.82,84.33 J2#6.5
  Bottom w0.2: 20.06,76.71 20.06,77.54 21.24,78.72 21.24,79.74 21.64,80.14 21.64,82.87 22.08,83.31 J2#6.5
Board_0-/RA2: length 7.8
  Bottom w0.2: J2#6.6 21.64,79.57 21.64,78.56 21.16,78.07 21.16,75.27 20.06,74.17
Board_0-/RA4: length 11.9
  Bottom w0.2: R3#8.1 6.4,84.13 6.4,81.5 8.34,79.55 10.38,79.55 12.4,77.53 12.4,76.71
Board_0-/RA5: length 6.3
  Top w0.2: 12.44,79.25 12.44,79.54 11.3,80.68 11.3,82.76 12.87,84.33 12.94,84.33
Board_0-/RB4: length 2.2
  Bottom w0.2: U2#5.13 21.37,64.01 R16#6.2
Board_0-/RC0: length 14.2
  Bottom w0.2: 20.06,71.63 17,74.69 R7#6.2
Board_0-/RC1: length 7.5
  Top w0.2: R14.2 21.92,73.07 19.46,73.07 18.57,72.19 18.57,70.58 20.06,69.09
Board_0-/RC2: length 5.1
  Bottom w0.2: 20.06,66.55 21.64,68.14 21.64,70.5 22.01,70.87
Board_0-/RC3: length 10.3
  Top w0.2: R4#8.1 7.35,72.8 9.74,72.8 11.3,71.25 11.3,68.5 12.44,67.37 12.44,66.55
Board_0-/RC4: length 44.5
  Bottom w0.2: 6.6,105.2 6.4,105.2 4.2,103 4.2,75.8 6,74 6,69.47 6.75,68.72 12.06,68.72 12.44,69.09
Board_0-/RC5: length 27.8
  Bottom w0.2: 12.44,71.63 10.59,71.63 6,76.23 6,93.55 7,94.55 R2#5.1
Board_0-/URx: length 27.9
  Bottom w0.2: R18#3.2 6.6,107 8,105.6 8,104.65 6.76,103.41 6.76,97.62 11.65,92.72 12.43,92.72 15.1,90.05 R7#6.1
Board_0-/USB_D+: length 13.7
  Top w0.2: 20.05,100.27 U1#8.13 18.13,100.26 17.01,101.39 arc(16.95,101.54) 17.01,101.68 17.41,102.09 arc(17.47,102.23) 17.41,102.38 17.34,102.45 arc(17.19,102.51) 17.04,102.45 16.64,102.05 arc(16.49,101.99) 16.35,102.05 12.6,105.8 12.6,107.09 J1#2.3
Board_0-/USB_D-: length 13.7
  Top w0.2: U1#8.12 12.15,105.61 12.15,107.09 J1#2.2 ; 20.04,97.8 20.05,97.8
Board_0-/UTx: length 7.5
  Bottom w0.2: 12.43,90.18 14,88.61 14,87.57 R8#7.1
Board_0-/~{MCLR}: length 30.9
  Bottom w0.2: R11#5.2 9.47,74.17 12.44,74.17 16,77.74 16,85.6 19.4,89 21.2,89 21.69,89.5 21.69,92.32 J2#6.1 22.84,95.51
Board_0-GNDD:
  vias: v1(0.8,100.62) v1(0.8,90.02) v1(0.8,79.43) v1(0.8,68.83) v1(5.76,103.37) v1(8.7,78.8) v1(9.2,104) v1(9.25,100.47)
Board_0-Net-(A1-Pin_1): length 2.4
  Top w0.2: v2(2.62,63.63) 3.64,62.61 A1#2.1
Board_0-Net-(A1-Pin_2): length 4.3
  Bottom w0.2: v2(1.71,61.03) 1.8,61.03 TP2#6.1
Board_0-Net-(A1-Pin_3): length 7.6
  Bottom w0.2: TP3#7.1 7.21,64.01 3.58,60.38 v2(1.2,60.38)
Board_0-Net-(A1-Pin_4): length 8.9
  Top w0.2: A1#2.4 1.67,59.69 1.31,59.69
  Bottom w0.2: v2(3.2,59.69) 3.45,59.69 6.05,62.29 8.13,62.29 TP4#7.1
Board_0-Net-(A1-Pin_5): length 0.2
  Bottom w0.2: v2(9.75,58.8) 9.86,58.91 TP5#5.1
Board_0-Net-(A1-Pin_6): length 1.6
  Bottom w0.2: TP6#7.1 7.32,59.9 v2(7.8,60.38)
Board_0-Net-(A1-Pin_7): length 3.3
  Bottom w0.2: v2(6.69,61.03) 6.03,61.03 4.78,59.78 TP7#7.1
Board_0-Net-(A1-Pin_8): length 5.3
  Bottom w0.2: TP8.1 3.3,58.93 6.05,61.68 v2(6.4,61.68)
Board_0-Net-(JP1-A): length 14.3
  Top w0.2: JP1#8.1 9.16,102.87 PB1#5.1 7.06,101.87 2.56,101.87 PB1#5.1 3.2,104.51 R21#6.1 4.7,105.2
Board_0-Net-(JP2-A): length 14.3
  Top w0.2: 4.74,95.32 R20#2.1 3.2,93.92 PB2#6.1 PB2#6.1
  Bottom w0.2: JP2#6.1 9.16,92.27 PB2#6.1
Board_0-Net-(JP3-A): length 14.3
  Top w0.2: PB3#8.1 PB3#8.1 3.2,83.32 R19#8.1 4.74,84.73
  Bottom w0.2: JP3#7.1 9.9,80.7 8.92,81.68 PB3#8.1
Board_0-Net-(JP4-A): length 13.3
  Top w0.2: 4.74,73.15 R17#5.1 3.2,72.73 PB4#5.1 PB4#5.1
  Bottom w0.2: PB4#5.1 9.16,71.08 JP4.1
Board_0-Net-(LED1-A): length 3.2
  Bottom w0.2: 23.49,109.35 23.6,109.45 LED1#6.2
Board_0-Net-(LED1-K): length 15.9
  Top w0.2: v1(16.3,104.1) 16.3,105.6 21.06,110.36 LED1#6.1
  Bottom w0.2: 12.43,100.34 12.42,100.34 U1#8.2 16.26,104.1 v1(16.3,104.1)
Board_0-Net-(LED2-A): length 2.9
  Bottom w0.2: R13#7.1 1.27,112.5 LED2#3.2
Board_0-Net-(LED2-K): length 18.8
  Bottom w0.2: 12.43,97.72 11.3,98.84 11.3,102.98 7.67,106.61 7.67,107.94 6.6,109 5.9,109 3.79,111.11 LED2#3.1
Board_0-Net-(LED3-A): length 2.8
  Bottom w0.2: 24,73.15 24,75 LED3#6.2
